# Altium PCB DM1098OAKW.PcbDoc (part 2 of 5) (continued)
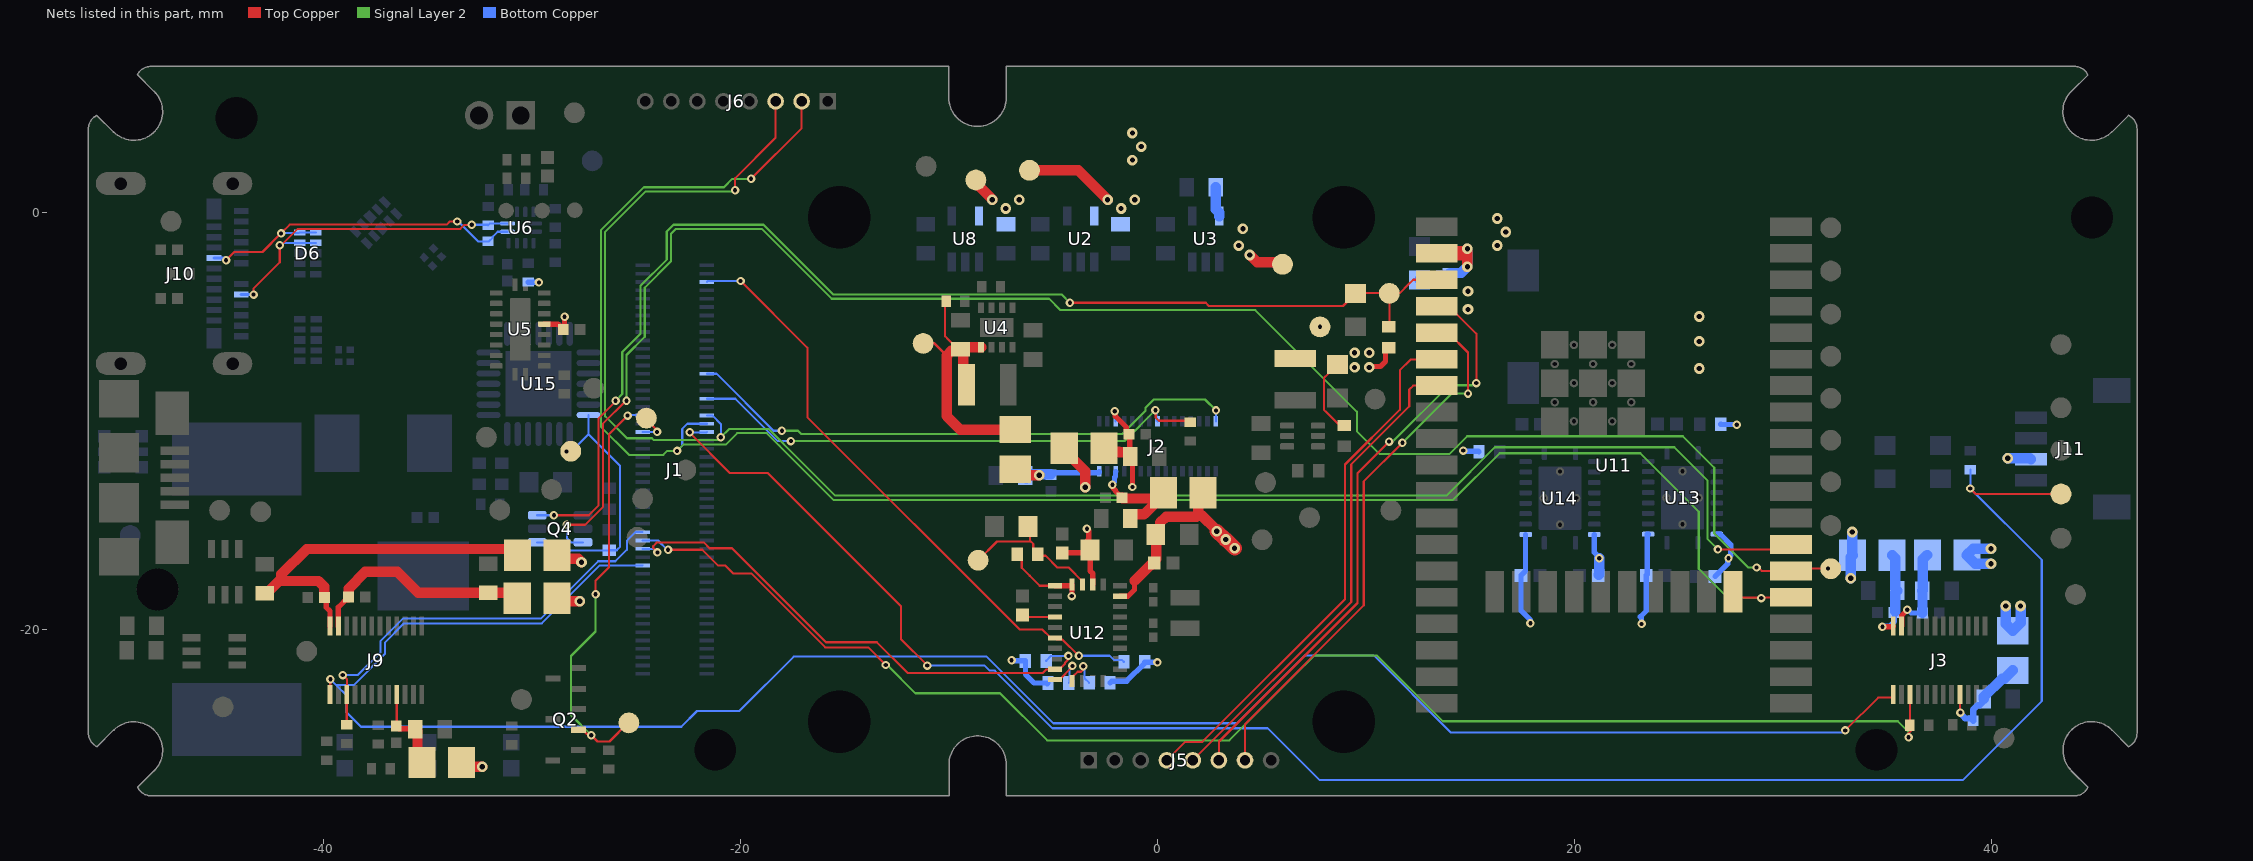
[diagram p6: the nets of this part, all layers, seen from the top]
## Part data (continued)
U6: library part TUSB321RWBR, "IC USB PORT CONTROL TYPE-C 12X2Q", Manufacturer 1="Texas Instruments", Max Operating Temperature=70°C, Max Supply Voltage=5.5V, Min Operating Temperature=0°C, Min Supply Voltage=4.5V, Supplier Part Number 1=296-42400-1-ND, ComponentLink1Description=http://www.ti.com/general/docs/lit/getliterature.tsp?genericPartNumber=TUSB321&&fileType=pdf&src-supplier=Avnet+Asia, ComponentLink1URL=http://www.ti.com/general/docs/lit/getliterature.tsp?genericPartNumber=TUSB321&&fileType=pdf&src-supplier=Avnet+Asia, ComponentLink2Description=http://www.ti.com/general/docs/lit/getliterature.tsp?genericPartNumber=TUSB321&&fileType=pdf&src-supplier=Farnell, ComponentLink2URL=http://www.ti.com/general/docs/lit/getliterature.tsp?genericPartNumber=TUSB321&&fileType=pdf&src-supplier=Farnell, ComponentLink3Description=http://www.ti.com/lit/ds/symlink/tusb321.pdf?src-supplier=Digi-Key, ComponentLink3URL=http://www.ti.com/lit/ds/symlink/tusb321.pdf?src-supplier=Digi-Key, ComponentLink4Description=http://www.ti.com/general/docs/lit/getliterature.tsp?genericPartNumber=TUSB321&&fileType=pdf&src-supplier=Element14, ComponentLink4URL=http://www.ti.com/general/docs/lit/getliterature.tsp?genericPartNumber=TUSB321&&fileType=pdf&src-supplier=Element14, ComponentLink5Description=http://www.ti.com/general/docs/lit/getliterature.tsp?genericPartNumber=TUSB321&&fileType=pdf&src-supplier=Avnet, ComponentLink5URL=http://www.ti.com/general/docs/lit/getliterature.tsp?genericPartNumber=TUSB321&&fileType=pdf&src-supplier=Avnet, Contact Plating=Gold, Lead Free="Lead Free", Manufacturer Part Number 1=TUSB321RWBR, Mount="Surface Mount", Number of Pins=12, Number of Ports=1, Packaging="Tape and Reel", Pricing 1="1=2.27000, 10=2.04200, 100=1.64100, 500=1.34828, 1000=1.11714 (USD)", REACH SVHC="No SVHC", RoHS=Yes, Stock 1=7746, Supplier 1=Digi-Key, USB Standard="USB 3.1"
U8: "IC REG LINEAR 1.2V 200MA SC70-5", Case/Package=SC, Dropout Voltage=175mV, Manufacturer 1="Texas Instruments", Manufacturer Part Number 1=TLV70012DCKR, Manufacturer Part Number 2=TLV70012DCKT, Max Input Voltage=5.5V, Max Operating Temperature=125°C, Max Output Current=200mA, Max Output Voltage=1.2V, Max Power Dissipation=320mW, Min Current Limit=220mA, Min Input Voltage=2V, Min Operating Temperature=-40°C, Output Voltage Accuracy=2%, Package Quantity=1, Quiescent Current=30uA, Supplier Part Number 1=296-27438-1-ND, Accuracy=2%, ComponentLink1Description=https://datasheet.ciiva.com/26909/tlv70012dckr-26909420.pdf?src-supplier=IIIC, ComponentLink1URL=https://datasheet.ciiva.com/26909/tlv70012dckr-26909420.pdf?src-supplier=IIIC, ComponentLink2Description=https://datasheet.ciiva.com/46448/1836520-46448747.pdf?src-supplier=Element14, ComponentLink2URL=https://datasheet.ciiva.com/46448/1836520-46448747.pdf?src-supplier=Element14, ComponentLink3Description=http://components.arrow.com/part/dataview/48874348S9524109N7713?src-supplier=Arrow, ComponentLink3URL=http://components.arrow.com/part/dataview/48874348S9524109N7713?src-supplier=Arrow, ComponentLink4Description=http://components.arrow.com/part/dataview/0323_02210905?src-supplier=Arrow+Europe, ComponentLink4URL=http://components.arrow.com/part/dataview/0323_02210905?src-supplier=Arrow+Europe, ComponentLink5Description=http://www.ti.com/general/docs/lit/getliterature.tsp?genericPartNumber=TLV700&&fileType=pdf&src-supplier=Avnet, ComponentLink5URL=http://www.ti.com/general/docs/lit/getliterature.tsp?genericPartNumber=TLV700&&fileType=pdf&src-supplier=Avnet, ComponentLink6Description=http://focus.ti.com/lit/ds/symlink/tlv70033.pdf?src-supplier=Avnet, ComponentLink6URL=http://focus.ti.com/lit/ds/symlink/tlv70033.pdf?src-supplier=Avnet, ComponentLink7Description=http://www.ti.com/lit/ds/slvsa00e/slvsa00e.pdf?src-supplier=Digi-Key, ComponentLink7URL=http://www.ti.com/lit/ds/slvsa00e/slvsa00e.pdf?src-supplier=Digi-Key, ComponentLink8Description=http://www.ti.com/litv/slvsa00d?src-supplier=Mouser, ComponentLink8URL=http://www.ti.com/litv/slvsa00d?src-supplier=Mouser, Contact Plating=Gold, Lead Free="Lead Free", Manufacturer 2="Texas Instruments", Min Output Voltage=1.2V, Nominal Output Voltage=1.2V, Number of Outputs=1, Number of Pins=5, Number of Regulators=1, Output Current=200mA, Output Type=Fixed, Output Voltage=1.2V, Packaging="Tape and Reel", Polarity=Positive, Power Dissipation=320mW, Pricing 1="1=0.48000, 10=0.40900, 100=0.30570, 500=0.24020, 1000=0.18561 (USD)", Pricing 2="1=0.43000, 10=0.38000, 25=0.35000, 100=0.30000, 250=0.27000, 500=0.21000, 750=0.16000, 1000=0.14000 (USD)", Radiation Hardening=No, REACH SVHC="No SVHC", RoHS=Yes, Stock 1=8389, Stock 2=250, Supplier 1=Digi-Key, Supplier 2="TI store", Supplier Part Number 2=TLV70012DCKT
U9 U10: library part LM66100DCKR, "IC OR CTRLR IDEAL DIODE SC70-6", Manufacturer 1="Texas Instruments", Supplier Part Number 1=296-53541-1-ND, Category="Integrated Circuits (ICs)", Manufacturer Part Number 1=LM66100DCKR, Pricing 1="1=0.41000, 10=0.32900, 25=0.30120, 100=0.20300, 250=0.16800, 500=0.15400, 1000=0.11550 (USD)", RoHS=No, Stock 1=8042, Supplier 1=Digi-Key, Supplier 2=Digi-Key, Supplier 3=Mouser, Supplier 4=Arrow, Supplier Part Number 2=296-53541-2-ND, Supplier Part Number 3=595-LM66100DCKR, Supplier Part Number 4=LM66100DCKR
U11: library part ESP32-WROOM-32D, "ESP32-WROOM-32D MODULE: Wi-Fi/BT BLE, ESP32-D0WD, SPI Flash, UART, P", Case/Package=SMD/SMT, Frequency=2.5GHz, Manufacturer 1="Espressif Systems", Max Operating Temperature=85°C, Min Operating Temperature=-40°C, Supplier Part Number 1=1904-1023-1-ND, Category="RF Receivers, Transceivers", ComponentLink1Description=https://www.espressif.com/sites/default/files/documentation/esp32-wroom-32d_esp32-wroom-32u_datasheet_en.pdf?src-supplier=Digi-Key, ComponentLink1URL=https://www.espressif.com/sites/default/files/documentation/esp32-wroom-32d_esp32-wroom-32u_datasheet_en.pdf?src-supplier=Digi-Key, Data Rate=150Mbps, Interface=I2C,SPI,GPIO,PWM,SDIO,UART, Manufacturer Part Number 1=ESP32-WROOM-32D, Memory Size=536KB, Mount="Surface Mount", Packaging="Cut Tape", Pricing 1="1=3.80000 (USD)", RoHS=Yes, Sensitivity=-98dBm, Stock 1=2394, Supplier 1=Digi-Key, Supplier 2=Mouser, Supplier 3=Arrow, Supplier Part Number 2=356-ESP32WROOM-32D, Supplier Part Number 3=ESP32-WROOM-32D
U12: "IMU ACCEL/GYRO/MAG I2C 32BIT", Case/Package=LGA, Manufacturer 1="Hillcrest Laboratories", Max Operating Temperature=85°C, Min Operating Temperature=-40°C, Supplier Part Number 1=1888-1006-1-ND, Category="Inertial Measurement Units (IMUs)", ComponentLink1Description=https://www.hillcrestlabs.com/downloads/bno080-datasheet?src-supplier=Digi-Key, ComponentLink1URL=https://www.hillcrestlabs.com/downloads/bno080-datasheet?src-supplier=Digi-Key, ComponentLink2Description=https://www.hillcrestlabs.com/downloads/bno080-migration-guide?src-supplier=Digi-Key, ComponentLink2URL=https://www.hillcrestlabs.com/downloads/bno080-migration-guide?src-supplier=Digi-Key, Manufacturer Part Number 1=BNO085, Mount="Surface Mount", Output Type=SPI,I2C, Packaging="Tape and Reel", Pricing 1="1=11.85000, 5=10.31200, 10=9.28100, 25=8.25000, 50=7.63120, 100=6.60000, 500=6.18750, 1000=5.77500 (USD)", RoHS=No, Sensor Type=Accelerometer,Gyroscope,Magnetometer, Stock 1=11593, Supplier 1=Digi-Key
U13 U14: "IC TRNSLTR BIDIRECTIONAL 20VQFN", Case/Package=VQFN, High Level Output Current=-50mA, Low Level Output Current=50mA, Manufacturer 1="Texas Instruments", Max Operating Temperature=85°C, Max Supply Voltage=5.5V, Min Operating Temperature=-40°C, Min Supply Voltage=1.2V, Package Quantity=1, Quiescent Current=3uA, Supplier Part Number 1=296-24806-1-ND, Category="Integrated Circuits (ICs)", ComponentLink1Description=https://datasheet.ciiva.com/15096/getdatasheetpartid-189651-15096225.pdf?src-supplier=Verical, ComponentLink1URL=https://datasheet.ciiva.com/15096/getdatasheetpartid-189651-15096225.pdf?src-supplier=Verical, ComponentLink2Description=https://datasheet.ciiva.com/22659/1718976-22659572.pdf?src-supplier=Element14, ComponentLink2URL=https://datasheet.ciiva.com/22659/1718976-22659572.pdf?src-supplier=Element14, ComponentLink3Description=https://datasheet.ciiva.com/26185/txs0108e-26185177.pdf?src-supplier=Avnet+Europe, ComponentLink3URL=https://datasheet.ciiva.com/26185/txs0108e-26185177.pdf?src-supplier=Avnet+Europe, ComponentLink4Description=https://datasheet.ciiva.com/14287/txs0108e-14287692.pdf?src-supplier=Avnet, ComponentLink4URL=https://datasheet.ciiva.com/14287/txs0108e-14287692.pdf?src-supplier=Avnet, ComponentLink5Description=https://datasheet.ciiva.com/1899/txs0108e-1899610.pdf?src-supplier=Digi-Key, ComponentLink5URL=https://datasheet.ciiva.com/1899/txs0108e-1899610.pdf?src-supplier=Digi-Key, ComponentLink6Description=https://datasheet.ciiva.com/1899/txs0108e-1899611.pdf?src-supplier=Digi-Key, ComponentLink6URL=https://datasheet.ciiva.com/1899/txs0108e-1899611.pdf?src-supplier=Digi-Key, ComponentLink7Description=https://datasheet.ciiva.com/1899/txs0108e-1899612.pdf?src-supplier=Digi-Key, ComponentLink7URL=https://datasheet.ciiva.com/1899/txs0108e-1899612.pdf?src-supplier=Digi-Key, ComponentLink8Description=https://datasheet.ciiva.com/14287/txs0108e-14287533.pdf?src-supplier=Avnet, ComponentLink8URL=https://datasheet.ciiva.com/14287/txs0108e-14287533.pdf?src-supplier=Avnet, ComponentLink9Description=https://datasheet.ciiva.com/48701/001073880-da-01-en-ic-xlatr-volt-lv-txs0108ergyr-qfn-20-tid-48701964.pdf?src-supplier=Conrad, ComponentLink9URL=https://datasheet.ciiva.com/48701/001073880-da-01-en-ic-xlatr-volt-lv-txs0108ergyr-qfn-20-tid-48701964.pdf?src-supplier=Conrad, Data Rate=60Mbps, Lead Free="Lead Free", Logic Function=Translator, Manufacturer Part Number 1=TXS0108ERGYR, Mount="Surface Mount", Number of Bits=8, Number of Channels=8, Number of Inputs=8, Number of Pins=20, Output Type=Voltage, Packaging="Tape and Reel", Pricing 1="1=1.42000, 10=1.26600, 25=1.20120, 100=0.98670, 250=0.92236, 500=0.81510, 1000=0.64350 (USD)", Propagation Delay=4.8ns, Radiation Hardening=No, REACH SVHC="No SVHC", RoHS=Yes, Stock 1=122729, Supplier 1=Digi-Key, Supplier 2=Digi-Key, Supplier 3=Arrow, Supplier 4="TI store", Supplier 5=Mouser, Supplier Part Number 2=296-24806-2-ND, Supplier Part Number 3=TXS0108ERGYR, Supplier Part Number 4=TXS0108ERGYR, Supplier Part Number 5=595-TXS0108ERGYR, Turn-On Delay Time=312ns, Weight=0.001517oz
U15: "IC USB TO UART BRIDGE QFN28", Manufacturer 1="Silicon Labs", Supplier Part Number 1=336-5890-1-ND, Manufacturer Part Number 1=CP2102N-A02-GQFN28R, Pricing 1="1=1.40000, 25=1.35160, 100=1.29950 (USD)", RoHS=Yes, Stock 1=3731, Supplier 1=Digi-Key, Supplier 2=Digi-Key, Supplier 3=Mouser, Supplier 4=Verical, Supplier Part Number 2=336-5890-2-ND, Supplier Part Number 3=634-CP2102NA02QFN28R, Supplier Part Number 4=CP2102N-A02-GQFN28R
Y1: "CRYSTAL 32.768kHz ±20ppm Crystal 12.5pF 90 kOhms 2-SMD, No Lead", Case/Package=SMD/SMT, ESR (Equivalent Series Resistance)=90kR, Frequency=32.768kHz, Frequency Tolerance=20ppm, Load Capacitance=12.5pF, Manufacturer 1=Abracon, Max Operating Temperature=85°C, Min Operating Temperature=-40°C, Supplier Part Number 1=535-14513-1-ND, ComponentLink1Description=http://www.farnell.com/datasheets/2614114.pdf?src-supplier=Farnell, ComponentLink1URL=http://www.farnell.com/datasheets/2614114.pdf?src-supplier=Farnell, ComponentLink2Description=https://abracon.com/datasheets/ABS06-127-32.768kHz-T.pdf?src-supplier=Digi-Key, ComponentLink2URL=https://abracon.com/datasheets/ABS06-127-32.768kHz-T.pdf?src-supplier=Digi-Key, ComponentLink3Description=http://www.farnell.com/datasheets/2614114.pdf?src-supplier=Newark, ComponentLink3URL=http://www.farnell.com/datasheets/2614114.pdf?src-supplier=Newark, Manufacturer Part Number 1=ABS06-127-32.768KHZ-T, Mount="Surface Mount", Packaging="Tape and Reel", Pricing 1="1=0.69000, 10=0.60700, 50=0.56760, 100=0.50160, 500=0.47520, 1000=0.39600 (USD)", RoHS=Yes, Stock 1=1640, Supplier 1=Digi-Key, Supplier 2=Digi-Key, Supplier 3=Mouser, Supplier 4=Verical, Supplier Part Number 2=535-14513-6-ND, Supplier Part Number 3=815-ABS0612732.768KT, Supplier Part Number 4=ABS06-127-32.768KHZ-T

## Free pads (board coordinates)
  round 1.524 hole 2 unplated: 1(-44.187,4.517) 1(-21.223,-25.787) 1(34.502,-25.787) 1(44.84,-0.258)

## Via types
v1: diameter 0.406, hole 0.203, Top Copper to Bottom Copper, tented both sides, 471 vias
v2: diameter 0.508, hole 0.254, Top Copper to Bottom Copper, tented both sides, 132 vias
v3: diameter 0.508, hole 0.254, Top Copper to Bottom Copper, 16 vias
v4: diameter 0.406, hole 0.203, Top Copper to Bottom Copper, tented bottom, 2 vias

## Nets (pads, with @x,y where several pads share a name; then routed paths per layer and width w, separated by ;. In a path a pad name is that pad's centre, name@x,y a point inside that pad or via, vN(x,y) a via of type N, cw(c..) or ccw(c..) an arc to the next point about the centre after c; other vN are vias at no path point)
1V2: C39.2 FB6.1 FB9.1 TP10.1 U8.5 | length 5.1
  Top Copper w0.5: FB9.1@-28.816,-18.519 -28.665,-18.671 v2(-27.713,-18.671) ; TP10.1@-8.714,1.546 -8.714,1.41 -7.932,0.628 -7.932,0.598 v2(-7.93,0.597)
  Bottom Copper w0.5: v2(39.994,-16.862) 39.239,-16.862 38.839,-16.462 FB6.1@38.839,-16.446 39.132,-16.153 v2(39.994,-16.153)
  other v2: 16.3,-1.599 16.717,-0.95 16.3,-0.3 -7.281,0.179 -6.631,0.597 -1.2,2.501 -0.783,3.15 -1.2,3.8
1V2_L: C7.2 C8.2 FB6.2 J3.2 | length 4.6
  Top Copper w0.254: J3.2@35.7,-19.86 35.712,-19.848 35.712,-19.352 35.974,-19.09 v1(35.974,-19.075)
  Bottom Copper w0.254: v1(35.974,-19.075) 36.015,-19.075 36.169,-19.23 C7.2@36.708,-19.23
  Bottom Copper w0.5: C7.2@36.708,-19.23 36.705,-19.227 36.705,-18.163 C8.2@36.703,-18.161 36.725,-18.139 36.725,-16.66 FB6.2@36.939,-16.446
1V2_R: C23.2 C24.2 FB9.2 J9.2 | length 11
  Top Copper w0.254: J9.2@-39.3,-19.86 -39.3,-18.951 C23.2@-38.814,-18.465
  Top Copper w0.5: C23.2@-38.814,-18.465 -38.804,-18.455 -38.804,-18.055 -38.007,-17.258 -36.468,-17.258 -35.466,-18.26 C24.2@-32.104,-18.26 -30.975,-18.26 FB9.2@-30.716,-18.519
1V05: C22.2 FB3.1 L1.2 R7.2 TP13.1 U4.5 | length 14.2
  Top Copper w0.102: TP13.1@-11.243,-6.295 -11.222,-6.274 -10.721,-6.274 -10.12,-6.876 ; R7.2@-10.141,-4.275 -10.187,-4.322 -10.187,-5.949 -10.023,-6.114 -9.554,-6.583 C22.2@-9.454,-6.583
  Top Copper w0.5: L1.2@-9.164,-8.273 -9.309,-8.128 -9.309,-6.683 -9.409,-6.583 C22.2@-9.454,-6.583 ; U4.5@-8.459,-6.482 -8.46,-6.483 -9.354,-6.483 C22.2@-9.454,-6.583 ; FB3.1@-6.822,-10.433 -9.466,-10.433 -10.12,-9.78 -10.12,-7.704 -10.12,-7.111 -10.12,-6.876 -9.885,-6.642 -9.512,-6.642 C22.2@-9.454,-6.583
1V05_IMX378: C1.2 C2.2 FB3.2 J2.15 | length 5
  Top Copper w0.5: FB3.2@-6.822,-12.333 -6.54,-12.615 v2(-5.672,-12.615)
  Bottom Copper w0.254: C1.2@-5.2,-12.592 C1.2@-5.124,-12.516 ; C1.2@-5.043,-12.497 -2.817,-12.497 -2.8,-12.48 J2.15@-2.8,-12.438
  Bottom Copper w0.5: C2.2@-6.287,-12.769 -6.287,-12.674 -6.187,-12.574 -5.672,-12.574 C1.2@-5.119,-12.574
1V8: C18.2 C43.2 C45.2 C50.2 C52.2 FB2.1 FB5.1 FB8.1 R29.2 R30.2 R35.2 R37.1 R38.1 R39.2 R40.1 TP11.1 U2.5 U12.5 U12.6 U12.28 U13.2 U14.2 | length 38.1
  Top Copper w0.102: R35.2@-6.735,-16.401 -6.511,-16.625 -6.511,-17.061 -6.128,-17.445 -5.648,-17.924 U12.6@-4.913,-17.924
  Top Copper w0.25: U12.6@-4.913,-17.924 U12.5@-4.101,-17.924 ; v1(-4.114,-18.416) -4.101,-18.403 U12.5@-4.101,-17.924 ; U12.5@-4.101,-17.862 U12.5@-4.101,-17.924 ; U12.28@-1.788,-18.424 -1.413,-18.424 -1.1,-18.111 -1.1,-17.682
  Top Copper w0.5: FB8.1@-28.813,-16.465 -28.642,-16.635 -27.792,-16.635 v2(-27.636,-16.791) ; TP11.1@-6.142,2.01 -3.809,2.01 v2(-2.394,0.595) ; -1.1,-17.682 -0.307,-16.889 -0.214,-16.889 C45.2@-0.154,-16.829 ; C45.2@-0.2,-16.783 -0.057,-16.64 C43.2@-0.057,-15.434 ; C43.2@-0.08,-15.457 C43.2@-0.057,-15.434 ; FB2.1@2.194,-13.461 2.194,-13.561 1.959,-13.796 1.959,-14.504 ; v2(2.849,-15.305) 2.849,-15.264 2.089,-14.504 1.959,-14.504 ; C43.2@-0.057,-15.434 0.12,-15.257 0.12,-14.9 0.413,-14.607 1.856,-14.607 1.959,-14.504
  Top Copper w0.7: v2(2.849,-15.305) 3.246,-15.702 v2(3.275,-15.702) v2(3.701,-16.128)
  Bottom Copper w0.254: v1(-7,-21.5) -6.984,-21.516 -6.349,-21.516 R30.2@-6.333,-21.532 -6.333,-22.178 -5.922,-22.589 R37.1@-5.252,-22.589 R37.1@-5.289,-22.626 ; R38.1@-2.277,-22.583 -2.195,-22.5 -1.478,-22.5 -0.606,-21.629 R29.2@-0.606,-21.579 -0.595,-21.589 -0.011,-21.589 v1(0,-21.6) ; v1(14.676,-11.434) 14.706,-11.464 15.397,-11.464 R40.1@15.427,-11.493 ; U14.2@17.663,-15.466 17.663,-17.206 C52.2@17.446,-17.423 17.446,-19.119 17.896,-19.569 v1(17.896,-19.722) ; v1(23.228,-19.756) 23.228,-19.467 23.17,-19.409 23.452,-19.127 C50.2@23.452,-17.423 23.498,-17.378 23.498,-15.458 23.505,-15.451 U13.2@23.543,-15.451 ; R39.2@27.02,-10.174 27.033,-10.187 27.787,-10.187 v1(27.8,-10.2)
  Bottom Copper w0.5: v2(33.262,-17.558) 33.264,-17.557 33.264,-16.542 FB5.1@33.352,-16.454 33.344,-16.445 33.344,-15.347 v2(33.342,-15.345)
  other v2: -1.745,0.178 -1.095,0.595
1V8_IMX378: C3.2 C4.2 FB2.2 J2.13 | length 5.3
  Top Copper w0.254: v1(-2.162,-13.077) -2.133,-13.106 -2.133,-13.226 -2.013,-13.346 -2.013,-13.387 C3.2@-1.7,-13.7
  Top Copper w0.5: C3.2@-1.7,-13.7 -1.663,-13.737 FB2.2@0.018,-13.737 ; C4.2@-1.3,-14.7 -1.3,-14.6 -1.2,-14.5 -0.645,-14.5 0.068,-13.787 0.294,-13.561 FB2.2@0.294,-13.461
  Bottom Copper w0.254: v1@-2.06,-12.926 -2.06,-12.722 -2.017,-12.678 -2.017,-12.455 J2.13@-2,-12.438
1V8_L: C9.2 C10.2 FB5.2 J3.1 | length 4.6
  Top Copper w0.254: v1(34.786,-19.884) 35.288,-19.884 35.3,-19.872 J3.1@35.3,-19.86
  Bottom Copper w0.254: v1(34.786,-19.884) 34.816,-19.855 35.149,-19.855 35.366,-19.638 35.366,-19.176 C9.2@35.4,-19.142
  Bottom Copper w0.5: FB5.2@35.252,-16.454 35.4,-16.602 35.4,-18.055 C10.2@35.5,-18.155 35.4,-18.255 C9.2@35.4,-19.142
1V8_R: C25.2 C26.2 FB8.2 J9.1 | length 17.5
  Top Copper w0.254: C25.2@-39.968,-18.481 -39.888,-18.561 -39.888,-18.952 -39.7,-19.14 J9.1@-39.7,-19.86
  Top Copper w0.5: C26.2@-42.836,-18.29 -42.736,-18.29 -42.139,-17.693 ; C25.2@-39.968,-18.481 -39.978,-18.471 -39.978,-17.976 -40.261,-17.693 -42.139,-17.693 ; FB8.2@-30.713,-16.465 -31.017,-16.16 -40.825,-16.16 -42.036,-17.371 -42.036,-17.59 -42.139,-17.693
2V8: C20.2 FB1.1 FB4.1 FB7.1 TP12.1 U3.5 | length 9.2
  Top Copper w0.5: FB7.1@-33.391,-26.408 -33.199,-26.6 v2(-32.4,-26.6) ; FB1.1@-4.472,-11.323 -4.472,-11.423 -3.461,-12.434 v2(-3.461,-13.196) ; v2(4.426,-2.051) v2(4.426,-2.051) 4.781,-2.404 5.904,-2.404 TP12.1@6,-2.5
  Bottom Copper w0.5: C20.2@2.8,1.2 2.8,0.133 2.968,-0.035 U3.5@2.968,-0.185 ; v2(40.702,-18.894) 40.702,-19.744 FB4.1@41.038,-20.08 41.411,-19.707 v2(41.411,-18.894)
  other v2: 3.9,-1.6 4.1,-0.8
2V8_IMX378: C5.2 C6.2 FB1.2 J2.11 J2.18 | length 6.4
  Top Copper w0.254: v1(-2.05,-9.55) -2.021,-9.579 -2.021,-9.789 -1.492,-10.317 -1.492,-10.521 C5.2@-1.359,-10.654 -1.332,-10.682 -1.332,-11.592 -1.332,-11.692 C6.2@-1.304,-11.719 -1.2,-11.824 v1(-1.2,-13.184)
  Top Copper w0.5: FB1.2@-2.572,-11.323 -2.399,-11.497 -1.86,-11.497 -1.838,-11.519 -1.404,-11.519 C6.2@-1.332,-11.592
  Bottom Copper w0.102: J2.18@-2.004,-10.034 v1@-2.004,-9.716
  Bottom Copper w0.254: v1(-1.2,-13.184) J2.11@-1.2,-12.438
2V8_L: C11.2 C12.2 FB4.2 J3.16 | length 5.3
  Top Copper w0.102: J3.16@38.5,-23.14 38.513,-23.153 38.513,-23.998 v1(38.525,-24.01)
  Bottom Copper w0.102: FB4.2@40.995,-22.204 FB4.2@41.199,-22
  Bottom Copper w0.305: v1(38.525,-24.01) 38.525,-24.038 38.639,-24.152 38.639,-24.167 38.764,-24.291 39.036,-24.291 C11.2@39.144,-24.399 39.144,-23.859 39.347,-23.655 39.447,-23.655 39.645,-23.458 C12.2@39.645,-23.358
  Bottom Copper w0.5: C12.2@39.645,-23.358 39.645,-23.258 40.523,-22.38 40.638,-22.38 FB4.2@41.038,-21.98
2V8_R: C27.2 C28.2 FB7.2 J9.16 | length 4.3
  Top Copper w0.102: C27.2@-36.52,-24.654 -36.501,-24.636 -36.501,-23.141 J9.16@-36.5,-23.14
  Top Copper w0.254: C27.2@-36.52,-24.654 -36.387,-24.787 -35.827,-24.787 -35.737,-24.878 C28.2@-35.737,-25.011
  Top Copper w0.5: C28.2@-35.604,-24.808 -35.504,-24.908 -35.504,-26.195 FB7.2@-35.291,-26.408
3V3: C16.1 C35.2 C42.2 C44.2 C49.2 C53.2 C55.2 C56.2 J11.3 L2.2 R5.2 R13.2 R41.2 TP29.1 U5.6 U11.2 U12.3 U13.19 U14.19 | length 23.5
  Top Copper w0.102: C16.1@8.615,-7.326 8.573,-7.326 8.188,-7.711 8.188,-7.753 7.986,-7.955 7.986,-9.481 8.086,-9.581 8.74,-10.234 R5.2@8.963,-10.234
  Top Copper w0.254: U5.6@-29.421,-5.372 -28.763,-5.372 C35.2@-28.507,-5.628 -28.447,-5.568 v1(-28.447,-5.02) ; C44.2@-4.68,-16.346 -3.376,-16.346 C42.2@-3.232,-16.202 ; v1(-3.385,-15.183) -3.294,-15.274 -3.294,-15.681 -3.385,-15.772 -3.385,-16.049 C42.2@-3.232,-16.202 ; U12.3@-3.101,-17.862 -3.101,-17.338 -3.232,-17.207 C42.2@-3.232,-16.202 ; v2(10.161,-7.447) 10.209,-7.398 10.702,-7.398 10.944,-7.156 10.944,-6.648 11.092,-6.5 R41.2@11.1,-6.5
  Top Copper w0.5: 14.657,-1.965 14.869,-1.753 v2(14.871,-1.753) 14.869,-1.755 14.869,-2.619 v2(14.871,-2.62)
  Top Copper w0.7: U11.2@14.36,-1.965 14.657,-1.965
  Bottom Copper w0.254: R13.2@-30.2,-3.35 -30.191,-3.359 -29.684,-3.359 v1(-29.676,-3.367) ; U14.19@20.963,-15.466 20.963,-16.322 21.2,-16.559 v1(21.2,-16.6) 21.175,-16.625 21.175,-17.398 C53.2@21.15,-17.423 ; C49.2@26.758,-17.474 27.369,-16.863 27.369,-16.631 v1(27.399,-16.601) 27.399,-16.56 27.5,-16.459 27.5,-15.941 27.009,-15.451 U13.19@26.843,-15.451
  Bottom Copper w0.5: C56.2@12.571,-3.247 12.703,-3.115 13.361,-3.115 13.441,-3.035 13.938,-3.035 C55.2@13.998,-2.975 14.058,-2.915 14.577,-2.915 14.869,-2.622 v2@14.869,-1.755 ; C53.2@21.175,-17.398 21.2,-17.373 v1(21.2,-16.6) ; v2(40.8,-11.8) 41.863,-11.8 J11.3@41.913,-11.85
  other v1: 7.8,-5.5
  other v2: 26,-7.5 9.457,-7.447 9.457,-6.743 10.161,-6.743 26,-6.2 26,-5.005 14.902,-4.666 14.902,-3.798
2485_BOOTSEL: J1.41 TP3.1 | length 1.6
  Top Copper w0.102: TP3.1@-24.523,-9.879 -24.523,-9.954 -24.009,-10.467 v1(-24.009,-10.542)
  Bottom Copper w0.102: J1.41@-24.7,-10.55 -24.696,-10.546 -24.013,-10.546 v1(-24.009,-10.542)
2485_PGOOD: J1.37 Q2.1 TP1.1 | length 20.6
  Top Copper w0.102: Q2.1@-27.777,-24.833 -27.572,-24.833 -27.369,-25.036 -27.225,-25.036 -26.867,-25.394 -26.294,-25.394 -25.4,-24.5 TP1.1@-25.362,-24.5 ; v1(-26.961,-18.327) -26.961,-17.675 -26.317,-17.031 -26.317,-10.649 v1(-25.422,-9.755)
  Signal Layer 2 w0.102: v1(-27.167,-25.094) -28.14,-24.121 -28.14,-21.294 -26.961,-20.114 v1(-26.961,-18.327)
  Bottom Copper w0.102: v1(-25.422,-9.755) -25.405,-9.738 -24.712,-9.738 J1.37@-24.7,-9.75
BNO08x_BOOTN_1V8_1: R35.1 R36.1 TP26.1 U12.4 | length 7.3
  Top Copper w0.102: TP26.1@-8.603,-16.702 -7.702,-15.8 -6.071,-15.8 ; R36.1@-6.215,-15.074 -6.123,-15.166 -6.123,-15.748 -6.071,-15.8 ; U12.4@-3.601,-17.862 -3.601,-17.699 -4.244,-17.056 -4.795,-17.056 -5.367,-16.483 -5.653,-16.483 R35.1@-5.735,-16.401 -5.959,-16.177 -5.959,-15.912 -6.071,-15.8
BNO08x_INT_1V8: J1.69 R30.1 U12.14 | length 25.4
  Top Copper w0.102: v1(-23.995,-16.322) -23.995,-16.31 -24.195,-16.11 -24.195,-16.026 -24.011,-15.842 -21.776,-15.842 -21.496,-16.122 -20.414,-16.122 -15.902,-20.635 -13.46,-20.635 -11.987,-22.109 -5.509,-22.109 -5.344,-21.944 -4.72,-21.944 -4.435,-21.659 -4.435,-21.622 -4.273,-21.459 v1(-4.273,-21.289)
  Bottom Copper w0.102: J1.69@-24.7,-16.15 -24.198,-16.15 -24.026,-16.322 v1(-23.995,-16.322) ; R30.1@-5.333,-21.532 -5.333,-21.513 -5.109,-21.289 v1(-4.273,-21.289)
BNO08x_RSTn_1V8: J1.6 R29.1 U12.11 | length 29.6
  Top Copper w0.102: v1(-20,-3.3) -16.8,-6.5 -16.8,-9.835 -6.612,-20.022 -5.528,-20.022 -5.126,-20.424 U12.11@-4.913,-20.424 -4.839,-20.498 -4.562,-20.498 -3.782,-21.279 v1(-3.766,-21.279)
  Bottom Copper w0.102: J1.6@-21.62,-3.35 -21.57,-3.3 v1(-20,-3.3) ; v1(-3.766,-21.279) -2.293,-21.279 -2.08,-21.492 -1.693,-21.492 R29.1@-1.606,-21.579
CAM_A_CLK_OUT: J1.28 J2.30 | length 27.2
  Signal Layer 2 w0.102: v1(-18.016,-10.484) -17.246,-10.484 -17.08,-10.65 -1.7,-10.65 -0.575,-9.525 -0.575,-9.376 -0.184,-8.984 2.284,-8.984 v1(2.809,-9.51)
  Bottom Copper w0.102: J1.28@-21.62,-7.75 -21.153,-7.75 -18.419,-10.484 v1(-18.016,-10.484) ; J2.30@2.8,-10.038 2.805,-10.033 2.805,-9.514 v1(2.809,-9.51)
CAM_A_PWDN_N: J1.34 J2.23 R1.1 | length 25.7
  Top Copper w0.102: v1(-0.1,-9.5) -0.084,-9.516 -0.084,-9.856 0.065,-10.005 1.496,-10.005 R1.1@1.569,-10.078
  Signal Layer 2 w0.102: v1(-17.584,-10.981) -1.581,-10.981 -1.551,-10.951 v1(-0.1,-9.5)
  Bottom Copper w0.102: J1.34@-21.62,-8.95 -20.25,-8.95 -18.219,-10.981 v1(-17.584,-10.981) ; v1(-0.1,-9.5) -0.046,-9.554 -0.046,-9.992 J2.23@0,-10.038
CAM_B_CLK_OUT: J1.73 J3.24 J9.24 | length 101
  Top Copper w0.102: J9.24@-39.691,-23.149 J9.24@-39.7,-23.14 -39.69,-23.13 -39.69,-22.418 v1(-39.681,-22.409) ; v1(33.005,-24.864) 34.579,-23.29 35.236,-23.29 35.3,-23.226 J3.24@35.3,-23.14
  Bottom Copper w0.102: v1(-39.681,-22.409) -39.402,-22.688 ; J1.73@-24.7,-16.95 -24.704,-16.946 -26.753,-16.946 -29.537,-19.729 -36.152,-19.729 -37.072,-20.65 -37.072,-21.198 -38.562,-22.688 -39.402,-22.688 ; v1(33.005,-24.864) 32.908,-24.961 14.079,-24.961 10.381,-21.263 7.067,-21.263 3.808,-24.522 -4.993,-24.522 -8.194,-21.321 -17.454,-21.321 -20.062,-23.93 -22.093,-23.93 -22.849,-24.686 -38.216,-24.686 -38.907,-23.994 -38.907,-23.182 -39.402,-22.688
CAM_B_D_PWM: J1.65 J9.22 R9.1 | length 20.3
  Top Copper w0.102: v1(-39.088,-22.207) -38.885,-22.41 -38.885,-23.125 J9.22@-38.9,-23.14 -38.9,-24.582 R9.1@-38.891,-24.591
  Bottom Copper w0.102: v1(-39.088,-22.207) -38.367,-22.207 -37.273,-21.114 -37.273,-20.566 -36.206,-19.499 -29.591,-19.499 -26.837,-16.744 -26.008,-16.744 -25.46,-16.197 -25.46,-15.76 -25.05,-15.35 J1.65@-24.7,-15.35
CAM_B_PWDN_N: J1.67 J3.22 R2.1 | length 70.1
  Top Copper w0.102: v1(-23.484,-16.196) -21.842,-16.196 -21.091,-16.946 -20.751,-16.946 -20.367,-17.329 -19.492,-17.329 -15.941,-20.881 -13.878,-20.881 v1(-13.033,-21.725) ; v1(36.041,-25.189) 36.041,-24.993 36.257,-24.777 R2.1@36.103,-24.623 ; R2.1@36.044,-24.533 R2.1@36.059,-24.517 ; R2.1@36.089,-24.363 36.1,-24.352 J3.22@36.1,-23.14
  Signal Layer 2 w0.102: v1(-13.033,-21.725) -12.971,-21.725 -11.614,-23.082 -7.556,-23.082 -5.296,-25.343 3.449,-25.343 7.519,-21.272 10.527,-21.272 13.68,-24.424 35.522,-24.424 36.041,-24.943 v1(36.041,-25.189)
  Bottom Copper w0.102: J1.67@-24.7,-15.75 -23.962,-15.75 -23.516,-16.196 v1(-23.484,-16.196)
CAP: C46.1 U12.9 | length 1.6
  Top Copper w0.102: C46.1@-6.48,-19.322 -6.377,-19.424 U12.9@-4.913,-19.424
CC1: D6.4 D6.7 J10.A5 R18.2 U6.2 | length 16.7
  Top Copper w0.102: v1(-43.369,-3.95) -43.365,-3.946 -43.365,-3.655 -42.114,-2.404 v1@-42.114,-1.664 ; v1(-42.114,-1.58) v1@-42.114,-1.664 ; v1(-32.9,-0.6) -32.907,-0.607 -33.256,-0.607 -33.448,-0.8 -41.25,-0.8 v1@-42.114,-1.664
  Bottom Copper w0.102: v1(-42.114,-1.58) -42.032,-1.58 -41.922,-1.471 D6.4@-41.16,-1.471 D6.7@-40.38,-1.471 ; v1(-32.9,-0.6) -32.138,-0.6 R18.2@-32.115,-0.623 -32.028,-0.536 U6.2@-31.184,-0.536
  Bottom Copper w0.158: J10.A5@-43.968,-3.945 -43.965,-3.948 -43.372,-3.948 v1(-43.369,-3.95)
CC2: D6.5 D6.6 J10.B5 R19.2 U6.1 | length 17.2
  Top Copper w0.102: v1(-44.69,-2.299) -44.299,-1.908 -42.943,-1.908 v1(-42.052,-1.017) -41.633,-0.598 -34.1,-0.598 -33.951,-0.449 -33.598,-0.449 v1(-33.595,-0.446)
  Bottom Copper w0.102: v1(-42.052,-1.017) -42.029,-0.994 -41.183,-0.994 D6.5@-41.16,-0.971 D6.6@-40.38,-0.971 ; v1(-33.595,-0.446) -33.555,-0.446 -32.6,-1.401 R19.2@-32.121,-1.401 -32.071,-1.401 -31.897,-1.226 -31.897,-1.176 -31.656,-0.936 U6.1@-31.184,-0.936
  Bottom Copper w0.152: J10.B5@-45.268,-2.195 -45.267,-2.197 -44.691,-2.197 v1@-44.69,-2.198
COM_AUX_IO2: J1.42 R4.1 TP4.1 | length 92.1
  Top Copper w0.102: v1(-22.444,-10.561) -22.444,-10.585 -20.511,-12.518 -18.687,-12.518 -12.312,-18.893 -12.312,-20.479 -11.048,-21.743 v1(-11.048,-21.755) ; v1(39.003,-13.256) 39.267,-13.521 TP4.1@43.35,-13.521
  Bottom Copper w0.102: v1(-22.444,-10.561) -22.439,-10.561 -22.436,-10.564 -21.634,-10.564 J1.42@-21.62,-10.55 ; v1(-11.048,-21.755) -8.293,-21.755 -8.051,-21.997 -7.803,-21.997 -5.043,-24.757 5.286,-24.757 7.78,-27.251 38.631,-27.251 42.426,-23.456 42.426,-16.68 v1(39.003,-13.256) R4.1@39.003,-12.349
DTR: Q4.1 R43.1 TP57.1 U15.28 | length 12.6
  Bottom Copper w0.102: Q4.1@-29.763,-15.84 -28.732,-15.84 -28.342,-16.229 R43.1@-26.306,-16.229 -26.294,-16.218 -25.922,-16.218 -25.922,-16.184 -25.782,-16.043 -25.782,-12.176 -27.297,-10.661 ; v1(-28.355,-11.486) -28.297,-11.427 -28.064,-11.427 -27.297,-10.661 ; U15.28@-27.297,-9.736 -27.297,-10.661
EN: C57.2 Q4.3 R41.1 TP30.1 U11.3 | length 58.7
  Top Copper w0.102: v1(-28.957,-14.537) -27.284,-14.537 -26.813,-14.067 -26.813,-9.889 -25.997,-9.074 v1(-25.997,-9.044) ; v1(-4.2,-4.346) 2.314,-4.346 2.468,-4.5 8.9,-4.5 C57.2@9.5,-3.9 ; C57.2@9.398,-3.6 C57.2@9.5,-3.498 ; C57.2@9.578,-3.498 9.964,-3.885 11.622,-3.885 12.069,-3.438 12.267,-3.24 U11.3@13.4,-3.24 ; R41.1@11.1,-5.5 11.125,-5.475 TP30.1@11.125,-3.895
  Signal Layer 2 w0.102: v1(-25.997,-9.044) -25.677,-8.724 -25.677,-6.705 -24.803,-5.831 -24.803,-3.53 -23.546,-2.273 -23.546,-0.927 -23.219,-0.6 -18.9,-0.6 -15.552,-3.948 -4.598,-3.948 v1(-4.2,-4.346)
  Bottom Copper w0.102: Q4.3@-29.763,-14.54 -29.762,-14.539 -28.958,-14.539 v1(-28.957,-14.537)
ENV_SCL: R37.2 U12.15 | length 2
  Top Copper w0.102: U12.15@-4.913,-22.424 -4.701,-22.424 -4.081,-21.805 v1(-4.081,-21.768)
  Bottom Copper w0.102: R37.2@-4.252,-22.589 -4.229,-22.567 -4.229,-21.917 v1(-4.081,-21.768)
ENV_SDA: R38.2 U12.16 | length 1.9
  Top Copper w0.102: U12.16@-4.101,-22.487 -4.027,-22.413 -4.027,-22.246 -3.829,-22.048 -3.662,-22.048 -3.582,-21.968 -3.582,-21.805 v1(-3.562,-21.785)
  Bottom Copper w0.102: v1(-3.562,-21.785) -3.562,-21.868 -3.502,-21.928 -3.502,-22.358 R38.2@-3.277,-22.583
ESP_GPI34: J5.4 U11.6 | length 25.8
  Top Copper w0.102: J5.4@0.45,-26.3 1.335,-25.415 2.152,-25.415 9,-18.566 9,-12.107 11.631,-9.476 11.631,-7.589 12.15,-7.07 13.38,-7.07 U11.6@13.4,-7.05
ESP_GPI35: J5.5 U11.7 | length 23.5
  Top Copper w0.102: J5.5@1.7,-26.3 9.3,-18.7 9.3,-12.099 12.082,-9.317 12.082,-8.504 12.267,-8.32 U11.7@13.4,-8.32
ESP_GPI36: J5.6 U11.4 | length 29.1
  Top Copper w0.102: J5.6@2.95,-26.3 2.95,-25.397 9.6,-18.747 9.6,-12.517 v1(11.11,-11.007) ; U11.4@13.4,-4.51 13.692,-4.218 15.3,-5.826 v1(15.3,-8.2)
  Signal Layer 2 w0.102: v1(11.11,-11.007) 11.169,-10.949 11.351,-10.949 14,-8.3 15.118,-8.3 15.218,-8.2 v1(15.3,-8.2)
ESP_GPI39: J5.7 U11.5 | length 26.4
  Top Copper w0.102: J5.7@4.2,-26.3 4.2,-24.564 9.9,-18.864 9.9,-12.917 v1(11.755,-11.062) ; U11.5@13.4,-5.78 13.95,-5.78 14.9,-6.73 v1(14.9,-8.7)
  Signal Layer 2 w0.102: v1(11.755,-11.062) 14.117,-8.7 v1(14.9,-8.7)
ESP_GPIO0: Q4.6 TP53.1 U11.25 | length 83.7
  Top Copper w0.102: v1(-28.335,-14.998) -27.459,-14.998 -26.611,-14.15 -26.611,-10.158 -25.5,-9.047 v1(-25.476,-9.047) ; v1(28.744,-17.047) 28.827,-17.047 28.989,-17.21 U11.25@30.4,-17.21 30.526,-17.084 30.574,-17.131 30.608,-17.097 v1(32.172,-17.097)
  Signal Layer 2 w0.102: v1(-25.476,-9.047) -25.476,-6.849 -24.602,-5.975 -24.602,-3.626 -23.344,-2.368 -23.344,-1.047 -23.099,-0.802 -18.984,-0.802 -15.635,-4.15 -5.2,-4.15 -4.65,-4.7 4.7,-4.7 9.566,-9.566 9.566,-10.505 10.668,-11.607 14.004,-11.607 14.863,-10.747 25.209,-10.747 26.715,-12.253 26.715,-15.418 28.345,-17.047 v1(28.744,-17.047)
  Bottom Copper w0.102: v1(-28.335,-14.998) -28.335,-15.634 -28.129,-15.84 Q4.6@-27.563,-15.84
ESP_GPIO2: J1.40 J6.2 U11.24 | length 91.1
  Top Copper w0.102: v1(-19.5,1.6) -17.074,4.026 J6.2@-17.074,5.317 ; U11.24@27.615,-18.21 27.885,-18.48 U11.24@30.4,-18.48
  Signal Layer 2 w0.102: v1(-19.5,1.6) -20.4,1.6 -20.8,1.2 -24.499,1.2 -24.644,1.2 -26.704,-0.86 -26.704,-10.299 -25.359,-11.644 -23.71,-11.644 -23.518,-11.452 v1(-23.05,-11.452) -22.747,-11.149 -21.693,-11.149 -21.688,-11.154 -20.717,-11.154 -20.165,-10.601 -18.741,-10.601 -18.14,-11.203 -18.14,-11.211 -15.549,-13.803 14.18,-13.803 16.417,-11.566 23.168,-11.566 25.969,-14.367 25.969,-17.104 27.38,-18.515 v1(28.965,-18.515)
  Bottom Copper w0.102: v1(-23.05,-11.452) -22.798,-11.2 -22.798,-10.396 -22.552,-10.15 J1.40@-21.62,-10.15
ESP_GPIO4: J1.38 J6.3 U11.26 | length 86.3
  Top Copper w0.102: v1(-20.266,1.049) -20.266,1.634 -18.324,3.576 J6.3@-18.324,5.317 ; v1(26.889,-16.177) 29.836,-16.177 30.145,-15.868 30.266,-15.989 30.358,-15.898 U11.26@30.4,-15.94
  Signal Layer 2 w0.102: v1(-20.266,1.049) -20.316,0.998 -24.56,0.998 -26.502,-0.943 -26.502,-9.793 -25.449,-10.846 -24.258,-10.846 -24.173,-10.931 -21.085,-10.931 v1(-20.954,-10.8) -20.554,-10.4 -18.658,-10.4 -17.938,-11.12 -17.938,-11.128 -15.465,-13.601 13.866,-13.601 16.189,-11.278 24.8,-11.278 26.387,-12.864 26.387,-15.675 v1(26.889,-16.177)
  Bottom Copper w0.102: J1.38@-21.62,-9.75 -21.36,-9.75 -20.95,-10.16 -20.95,-10.796 v1(-20.954,-10.8)